# Altium PCB Austindetz_CM4_Board_v1.0.PcbDoc (part 6 of 6)
Units mil, origin at the board's own origin, x right, y up, seen from the top; angles counter-clockwise.
Board outline 4020 x 5659.29 mil, 6 copper layers (Top Layer, 02_GND1, 03_SIg1, 04_SIg2, 05_Pwr1, Bottom Layer), stack 60.56 mil thick; 407 components, 332 nets, 1812 pads, 973 vias.
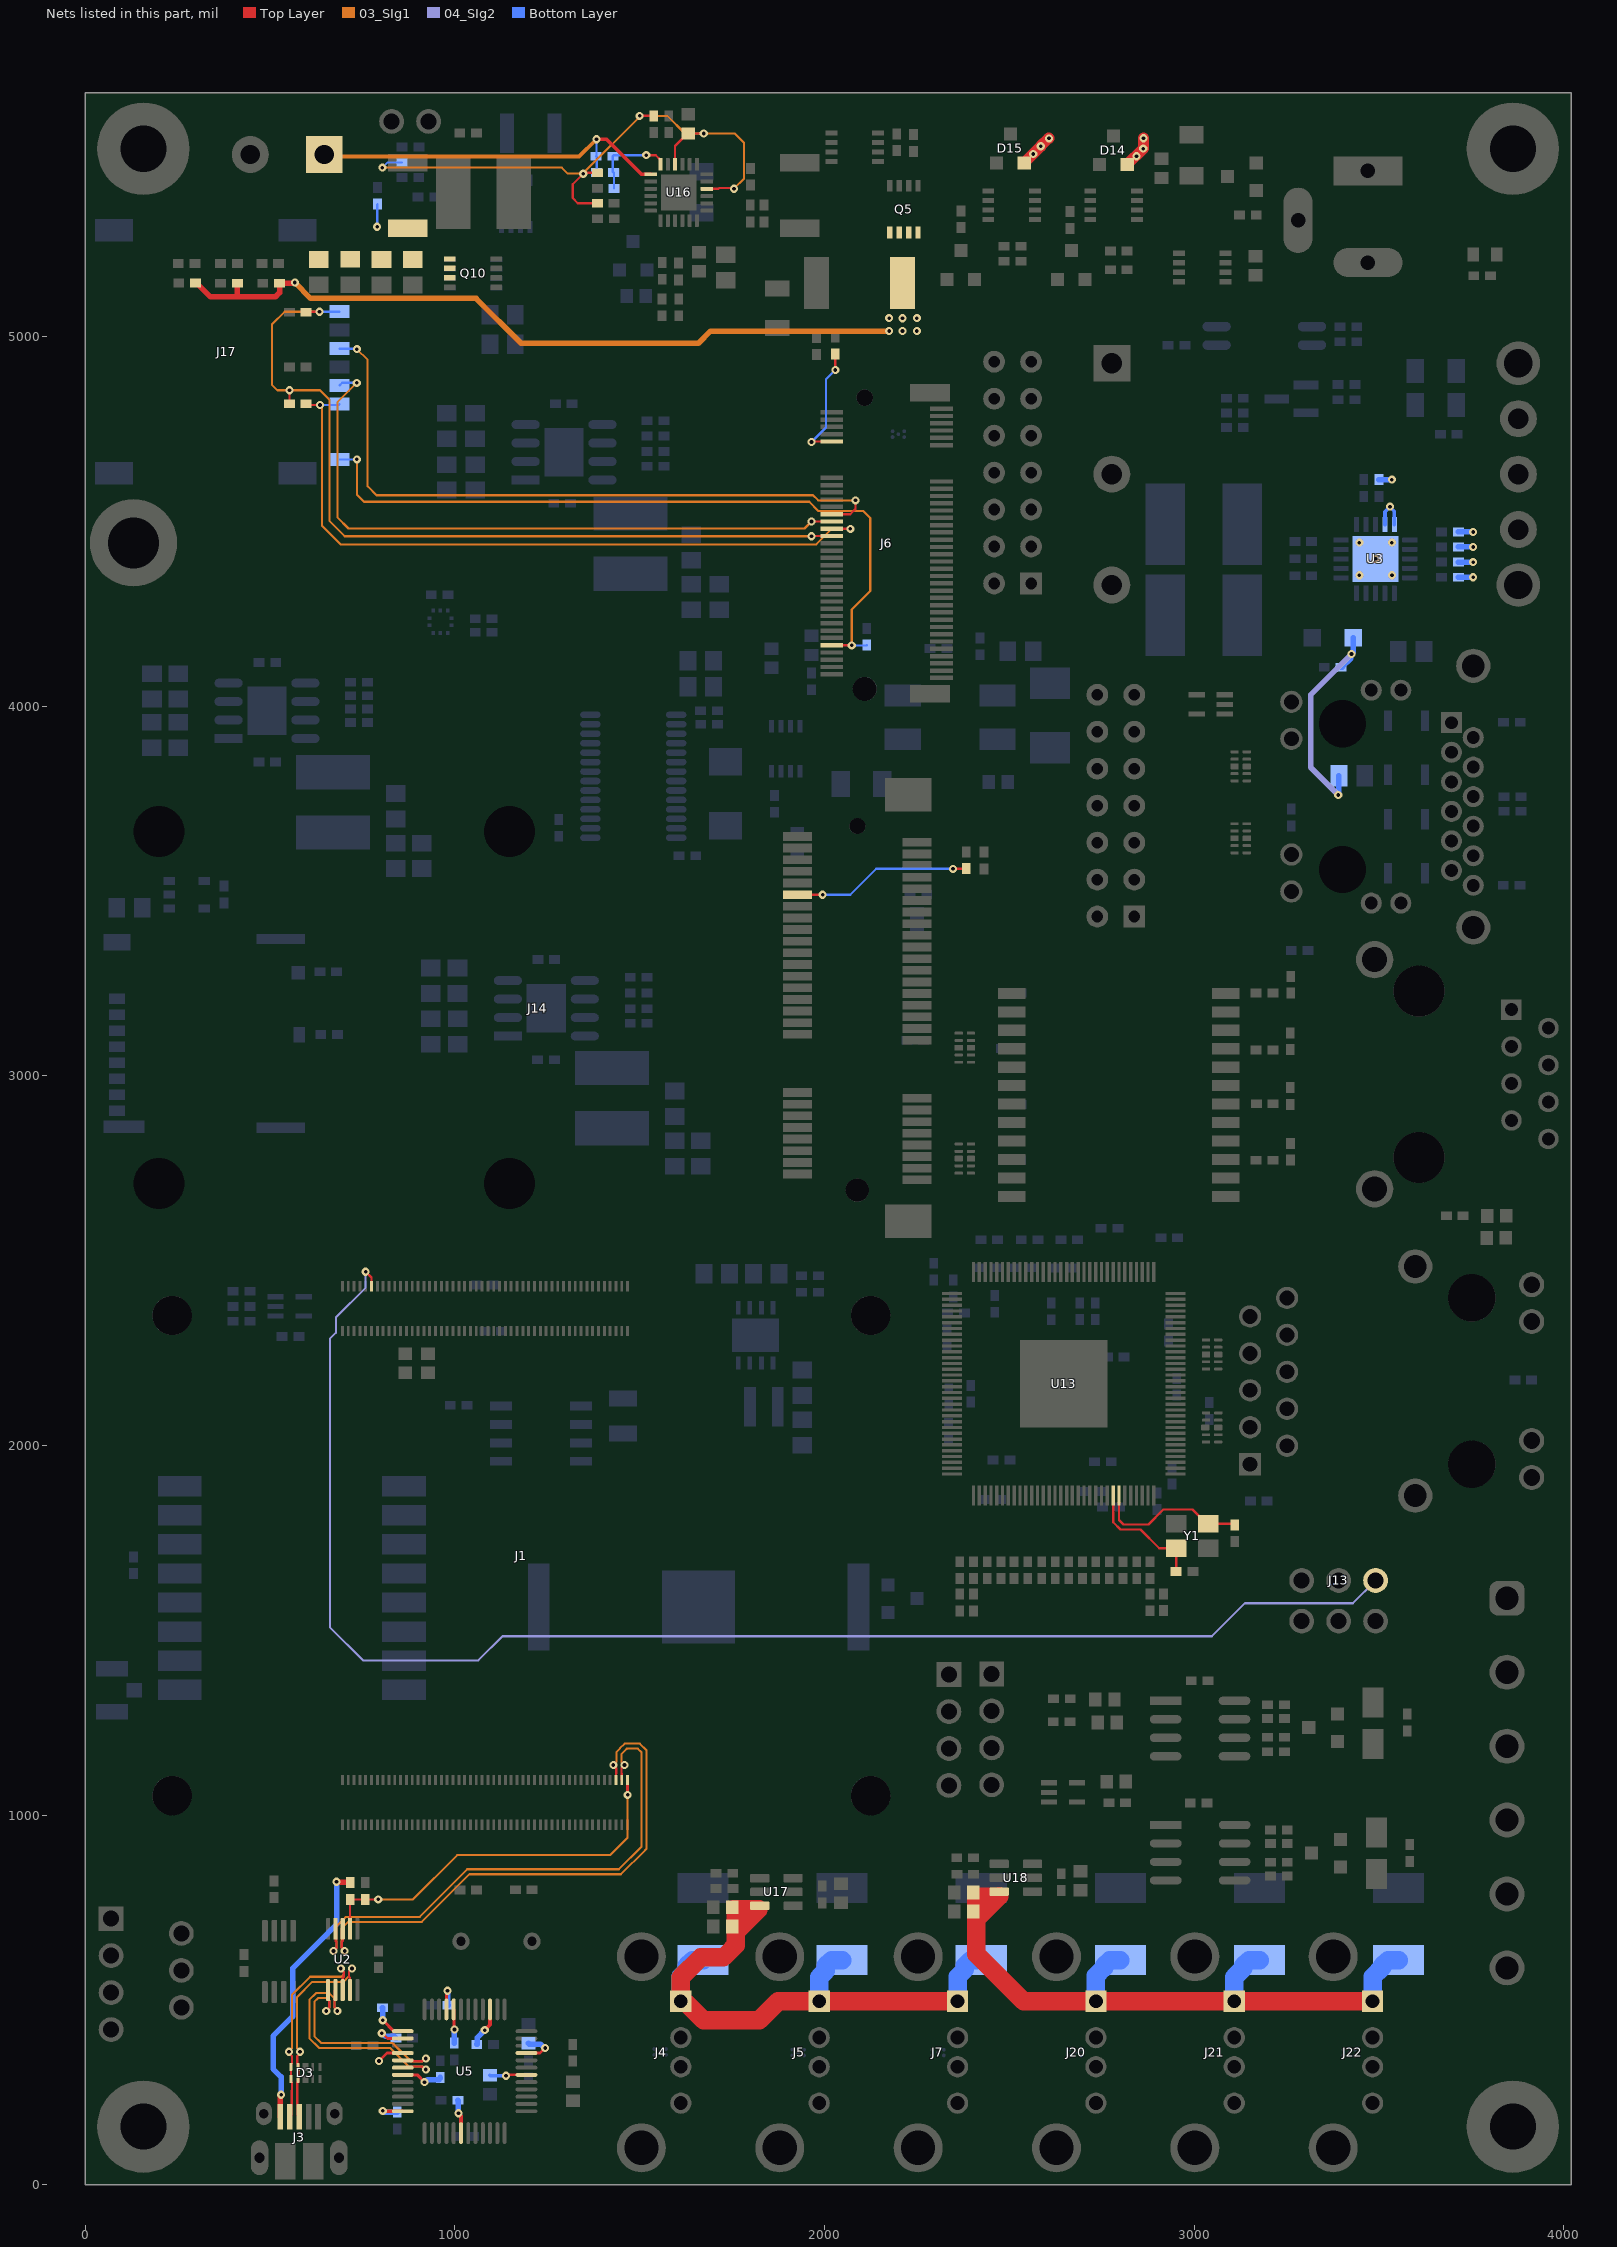
[diagram p10: the nets of this part, all layers, seen from the top]

## Via types
v1: diameter 22, hole 10, Top Layer to Bottom Layer, tented both sides, 968 vias
v2: diameter 22, hole 10, Top Layer to Bottom Layer, 5 vias

## Nets (pads, with @x,y where several pads share a name; then routed paths per layer and width w, separated by ;. In a path a pad name is that pad's centre, name@x,y a point inside that pad or via, vN(x,y) a via of type N, cw(c..) or ccw(c..) an arc to the next point about the centre after c; other vN are vias at no path point) (continued)
USB1_N: D3.5 J3.2 U2.8 | length 585.5
  Top Layer w6.23: v1(551.25,359.98) 551.25,355.72 559.14,347.83 559.14,341.52 559.14,328.82 556.41,326.09 D3.5@556.41,318.91 D3.5@556.41,286.04 556.41,278.85 559.14,276.12 559.14,265.88 559.14,255.1 559.02,254.99 559.02,219.43 558.1,218.51 558.1,189.2 J3.2@553.34,184.44 ; v1(691.46,584.98) 699.34,577.1 699.34,562.16 696.62,559.43 U2.8@696.62,526.79
  03_SIg1 w5.66: v1(551.25,359.98) 551.25,360.86 559.42,369.03 559.42,513.81 608.35,562.74 692.97,562.74 699.63,569.4 699.63,575.94 691.46,584.11 v1(691.46,584.98)
USB1_P: D3.4 J3.3 U2.9 | length 585.5
  Top Layer w6.23: J3.3@578.93,184.44 574.17,189.2 574.17,218.51 573.25,219.43 573.25,249.1 573.37,249.21 573.37,269.32 573.37,276.12 576.09,278.85 D3.4@576.09,286.04 D3.4@576.09,318.91 576.09,326.09 573.37,328.82 573.37,335.63 573.37,347.83 581.25,355.72 v1(581.25,359.98) ; U2.9@716.3,526.79 716.3,559.43 713.57,562.16 713.57,577.1 v1(721.46,584.98)
  03_SIg1 w5.66: v1(581.25,359.98) 581.25,360.86 573.08,369.03 573.08,508.15 614,549.08 698.62,549.08 713.29,563.74 713.29,575.94 721.46,584.11 v1(721.46,584.98)
USB2_N: J1.103 U2.4 | length 1449.5
  Top Layer w6.23: v1@671.77,636.99 v1(671.77,632.73) 679.66,640.61 679.66,657.16 676.93,659.89 U2.4@676.93,692.53 ; J1.103@1451.56,1095.34 1451.56,1112.23 1450.81,1112.99 1450.81,1127.81 v1(1458.69,1135.69)
  03_SIg1 w5.66: v1(671.77,632.73) 679.94,640.9 679.94,699.34 687.94,707.34 697.59,716.98 705.59,724.98 904.91,724.98 1033.57,853.64 1443.57,853.64 1504.91,914.98 1504.91,1169.98 1494.91,1179.98 1464.91,1179.98 1464.91,1179.37 1450.52,1164.98 1450.52,1143.86 v1(1458.69,1135.69)
USB2_P: J1.105 U2.3 | length 1494.7
  Top Layer w6.23: U2.3@696.62,692.53 696.62,659.89 693.89,657.16 693.89,640.61 v1(701.77,632.73) v1@701.77,636.99 ; v1(1428.69,1135.69) 1436.58,1127.81 1436.58,1112.99 1435.82,1112.23 J1.105@1435.82,1095.34
  03_SIg1 w5.66: v1(701.77,632.73) 693.6,640.9 693.6,693.68 711.25,711.32 910.57,711.32 1039.23,839.98 1449.23,839.98 1514.57,905.32 1518.57,909.33 1518.57,1175.64 1500.57,1193.64 1459.25,1193.64 1446.2,1180.59 1446.2,1179.98 1436.86,1170.64 1436.86,1143.86 v1(1428.69,1135.69)
USB-OTG: J1.101 R7.1 R8.1 U2.2 | length 1055.5
  Top Layer w6.16: U2.2@716.3,692.53 716.3,771.65 R7.1@716.71,772.05 R8.1@757.62,772.05 792.44,772.05 v1(792.64,772.25)
  Top Layer w8: v1(1467.31,1054.98) J1.101@1467.31,1095.34
  03_SIg1 w5.61: v1(792.64,772.25) 886.83,772.25 1006.48,891.89 1419.74,891.89 1467.31,939.46 v1(1467.31,1054.98)
USBH_N: U2.6 U5.29 | length 633.8
  Top Layer w6.23: v1(652.09,469.98) 652.09,472.56 659.97,480.45 659.97,482.02 659.97,496.72 659.64,497.05 659.64,524.39 U2.6@657.25,526.79 ; U5.29@859.01,336.74 884.41,336.74 887.14,334.01 909.99,334.01 917.87,341.89 v1(921.52,341.89)
  03_SIg1 w5.66: v1(652.09,469.98) 652.09,470.86 660.26,479.03 660.26,499.1 654.37,504.98 629.82,504.98 619.91,495.07 619.91,402 638.27,383.64 831.25,383.64 881.17,333.72 912.48,333.72 920.65,341.89 v1(921.52,341.89)
USBH_P: U2.7 U5.30 | length 701.7
  Top Layer w6.23: U2.7@676.93,526.79 674.53,524.39 674.53,497.05 674.2,496.72 674.2,487.91 674.2,480.45 682.09,472.56 v1(682.09,469.98) ; U5.30@859.01,317.04 884.41,317.04 887.14,319.78 909.99,319.78 917.87,311.89 v1(921.52,311.89)
  03_SIg1 w5.66: v1(682.09,469.98) 682.09,470.86 673.92,479.03 673.92,504.75 660.03,518.64 642.08,518.64 624.16,518.64 606.25,500.73 606.25,396.34 632.61,369.98 825.59,369.98 855.25,340.32 875.51,320.06 912.48,320.06 920.65,311.89 v1(921.52,311.89)
USIM_CLK: J6.32 J17.C3 | length 1793.3
  Top Layer w6.16: v1(1964.91,4499.98) 1964.96,4499.93 J6.32@2019.28,4499.93
  03_SIg1 w5.61: v1(734.53,4874.98) 681.94,4822.39 681.94,4511.22 712.27,4480.88 1945.81,4480.88 v1(1964.91,4499.98)
  Bottom Layer w6.16: J17.C3@687.69,4867.57 695.11,4874.98 v1(734.53,4874.98)
USIM_DATA: J6.34 J17.C7 R76.1 | length 1939.7
  Top Layer w6.16: R76.1@597.75,4818.43 601.2,4814.98 v1(634.91,4814.98) ; J6.34@2019.28,4480.24 2069.65,4480.24 v1(2069.91,4479.98)
  03_SIg1 w5.61: v1(634.91,4814.98) 634.91,4811.32 641.08,4805.15 641.08,4487.6 690.5,4438.18 1978.1,4438.18 2019.91,4479.98 v1(2069.91,4479.98)
  Bottom Layer w6.16: v1(634.91,4814.98) 685.11,4814.98 J17.C7@687.69,4817.57
USIM_DET: J6.66 J17.CD R78.1 | length 2020.5
  Top Layer w6.16: J6.66@2019.28,4165.28 2074.61,4165.28 v1@2074.91,4164.98
  03_SIg1 w6.16: v1(734.91,4667.98) 734.91,4572.05 753.91,4553.05 1958.42,4553.05 1983.12,4528.35 2104.8,4528.35 2123.85,4509.3 2123.85,4312.17 2073.59,4261.92 v1(2073.59,4164.66)
  Bottom Layer w6.16: J17.CD@687.69,4667.57 734.5,4667.57 v1(734.91,4667.98) ; v1(2073.59,4164.66) 2113.78,4164.66 R78.1@2114.4,4165.28
USIM_RST: J6.30 J17.C2 | length 1860.3
  Top Layer w6.16: J6.30@2019.28,4519.61 2069.54,4519.61 2083.85,4533.92 v1(2083.85,4557.17)
  03_SIg1 w5.61: v1(734.91,4966.08) 763.85,4937.14 763.85,4594.93 787.9,4570.89 1969.01,4570.89 1982.72,4557.17 v1(2083.85,4557.17)
  Bottom Layer w6.16: J17.C2@687.69,4967.57 733.42,4967.57 v1(734.91,4966.08)
USIM_VDD: C121.1 J6.36 J17.C1 R76.2 | length 2310
  Top Layer w6.16: R76.2@552.47,4818.43 v1(552.47,4854.98) ; C121.1@597.75,5065.74 599.18,5067.17 v1(633.85,5067.17) ; v1(1964.91,4459.98) 1965.48,4460.56 J6.36@2019.28,4460.56
  03_SIg1 w5.61: v1(633.85,5067.17) 633.76,5067.27 539.5,5067.27 504.91,5032.68 504.91,4869.84 519.77,4854.98 v1(552.47,4854.98) 635.25,4854.98 660.4,4829.83 660.4,4501.69 702.11,4459.98 v1(1964.91,4459.98)
  Bottom Layer w6.16: v1(633.85,5067.17) 687.3,5067.17 J17.C1@687.69,5067.57
VB1: C20.1 C21.1 C112.+ C113.+ C114.+ J4.1 J5.1 J7.1 U17.6 | length 1926.6
  Top Layer w30: 1750.8,639.23 C20.1@1750.8,699.08 C21.1@1750.8,750.75 1750.8,752.72 1752.93,754.85 U17.6@1824.88,754.85
  Top Layer w50: C21.1@1762.2,737.83 1759.43,735.07 C20.1@1759.43,682.76 ; C21.1@1763.61,743.68 U17.6@1807.96,743.68 ; 1807.42,743.14 U17.6@1807.96,743.68 ; U17.6@1821.36,744.68 U17.6@1820.37,743.69 ; J7.1@2359.94,496.44 J5.1@1985.62,496.44 1874.78,496.44 1823.32,444.98 1673,444.98 1625.24,492.74 1615.01,492.74 J4.1@1611.31,496.44 1611.31,561.38 1664.91,614.98 1726.55,614.98 1750.8,639.23 1759.43,647.87 C20.1@1759.43,682.76 ; C20.1@1759.43,682.76 U17.6@1820.37,743.69 ; U17.6@1807.97,743.69 U17.6@1820.37,743.69
  Bottom Layer w50: J4.1@1611.31,496.44 1611.31,563.55 1627.24,579.48 1627.24,592.28 1642.99,608.03 C112.+@1671.33,608.03 ; J5.1@1985.62,496.44 1985.62,561.23 2003.63,579.24 2003.63,592.28 2019.38,608.03 C113.+@2047.72,608.03 ; J7.1@2359.94,496.44 2359.94,562.43 2380.02,582.51 2380.02,592.28 2395.77,608.03 C114.+@2424.11,608.03
VB2: C109.1 C110.1 C115.+ C116.+ C117.+ J20.1 J21.1 J22.1 U18.6 | length 1890.6
  Top Layer w50: C109.1@2413.43,773.95 2410.66,771.19 2410.66,718.87 ; C109.1@2414.84,779.8 2459.19,779.8 ; 2458.65,779.26 2459.19,779.8 ; 2472.59,780.8 2471.6,779.81 ; J22.1@3482.88,496.44 J21.1@3108.56,496.44 J20.1@2734.25,496.44 2538.45,496.44 2410.66,624.23 2410.66,718.87 ; 2410.66,718.87 2471.6,779.81 ; 2459.2,779.81 2471.6,779.81
  Bottom Layer w50: J20.1@2734.25,496.44 2734.25,565.57 2756.41,587.73 2756.41,592.28 2772.16,608.03 C116.+@2800.5,608.03 ; J21.1@3108.56,496.44 3108.56,561.69 3132.8,585.93 3132.8,592.28 3148.55,608.03 C115.+@3176.89,608.03 ; J22.1@3482.88,496.44 3482.88,562.3 3509.19,588.61 3509.19,592.28 3524.94,608.03 C117.+@3553.28,608.03
VBAT: C90.1 C91.1 C92.1 C96.1 C99.1 Cff1.2 J19.1 Q10.S R65.2 RSR1.2 U16.13 | length 1096.3
  Top Layer w10: v1(1382.91,5533.98) 1410.03,5533.98 1504.57,5439.45 1529.36,5439.45 U16.13@1529.48,5439.32
  03_SIg1 w10: J19.1@646.58,5492.67 652.08,5487.17 1336.1,5487.17 v1(1382.91,5533.98)
  Bottom Layer w6.16: v1(789.79,5297.29) 789.79,5357.34 C99.1@790.79,5358.33 ; v1(1382.91,5533.98) 1382.91,5489.12 Cff1.2@1382.15,5488.37 1383.65,5486.87 R65.2@1383.65,5443.9
VBUS: J3.1 R7.2 | length 754.5
  Top Layer w15: J3.1@527.75,184.44 527.75,241.49 v1(529.91,243.64) ; v1(679.91,819.98) 681.24,818.66 715.38,818.66 R7.2@716.71,817.33
  Bottom Layer w15: v1(529.91,243.64) 529.91,291.66 508.14,313.43 508.14,402.19 561.2,455.25 561.2,585.66 679.91,704.37 v1(679.91,819.98)
VD18_O: C1.1 C2.1 C3.1 U5.6 U5.21 U5.25 U5.28 | length 365.6
  Top Layer w6.16: v1(1138.35,294.98) 1140.74,297.37 U5.6@1193.64,297.37
  Top Layer w8: v1(794.91,334.98) 816.34,356.41 U5.28@859.01,356.41 ; v1(804.91,444.98) 805.29,444.98 834.79,415.48 U5.25@859.01,415.48 ; U5.21@977.12,474.53 977.62,475.03 977.62,522.69 v1(979.91,524.98)
  Bottom Layer w10: C1.1@1094.73,296.26 1096.01,294.98 v1(1138.35,294.98)
  Bottom Layer w15: C2.1@804.1,479.11 804.5,478.7 804.5,445.39 v1(804.91,444.98) ; v1(979.91,524.98) 980.73,524.16 980.73,486.69 C3.1@981.56,485.86
VD33_O: C5.1 C6.1 C7.1 C8.1 C14.1 C15.1 C17.1 U5.9 U5.15 U5.20 U5.26 U5.31 U5.36 U5.42 | length 719
  Top Layer w8: v1(802.12,409.98) 803.28,409.98 817.48,395.78 U5.26@859.01,395.78 ; v1(804.91,199.98) 805.84,199.06 v1@805.96,198.94 ; U5.31@859.01,297.37 898.36,297.37 v1(918.06,277.68) ; U5.20@996.8,474.53 997.3,474.02 997.3,421.7 v1(999.03,419.96) ; U5.9@1193.64,356.41 1230.55,356.41 v1(1244.12,369.98)
  Top Layer w10: v1@805.84,199.06 858.89,199.06 U5.36@859.01,198.94 ; v1(1009.91,193.62) 1016.48,187.05 U5.42@1016.48,139.89 ; v1(1080.85,418.47) 1095.23,432.84 U5.15@1095.23,474.53
  Bottom Layer w15: v1(802.12,409.98) 804.02,409.98 812.64,401.36 836.2,401.36 C14.1@840.51,397.05 ; v1(804.91,199.98) 806.8,199.98 810.15,196.63 C5.1@844.03,196.63 ; v1(918.06,277.68) 919.95,277.68 926.48,284.2 956.48,284.2 960.79,288.51 C8.1@960.79,290.24 ; C7.1@998.15,383.16 998.59,383.6 998.59,419.53 v1(999.03,419.96) ; C6.1@1007.99,228.83 1008.95,227.87 1008.95,194.58 v1(1009.91,193.62) ; C15.1@1059.2,379.71 1059.91,380.42 1059.91,397.53 v1(1080.85,418.47) ; C17.1@1199.21,382.59 1201.22,380.59 1231.63,380.59 1242.23,369.98 v1(1244.12,369.98)
VFB: Cff1.1 R65.1 R67.2 U16.12 | length 235.9
  Top Layer w6.16: v1(1517.91,5490.98) 1543.37,5490.98 1556.45,5477.91 U16.12@1556.45,5466.29
  Bottom Layer w6.16: R67.2@1430.42,5400.89 1430.42,5442.4 R65.1@1428.93,5443.9 1427.43,5445.4 Cff1.1@1427.43,5488.37 1430.05,5490.98 v1(1517.91,5490.98)
VIN: D14.2 D15.2 Q5.D R50.2 R55.2 R59.2 R64.2 | length 2227.6
  Top Layer w15: R55.2@298.3,5145.14 301.25,5145.14 338.97,5107.42 407.63,5107.42 ; R59.2@411.71,5144.59 411.71,5111.5 407.63,5107.42 ; v2(567.17,5146.3) 565.46,5144.59 R64.2@525.6,5144.59 525.6,5118.92 514.09,5107.42 407.63,5107.42
  Top Layer w30: D15.2@2540.32,5470.14 2585.01,5514.84 v1(2585.01,5515.13) v1@2606.68,5536.8 ; D14.2@2819.03,5465.21 2862.39,5508.57 v1(2862.39,5508.68) 2862.87,5509.16 v1(2862.87,5536.72)
  03_SIg1 w15: v2(567.17,5146.3) 609.98,5103.49 1057.54,5103.49 1178.85,4982.17 1658.85,4982.17 1691.66,5014.98 1991.66,5014.98 v1(2174.91,5014.98)
  other v1: 2211.09,5014.98 2249.91,5014.98 2174.91,5049.98 2211.27,5049.78 2249.91,5049.98 2844.21,5488.15 2564.78,5494.31 2607.11,5536.38
VREF: C100.2 R46.1 R56.1 R57.1 R58.1 U16.4 U16.10 | length 1723.4
  Top Layer w5.61: 1332.75,5361.19 1318.85,5375.09 1318.85,5412.31 v1(1347.35,5440.81)
  Top Layer w6.16: 1332.75,5361.19 R56.1@1385.7,5361.19 ; v1(1347.35,5440.81) 1349.6,5443.07 R57.1@1385.7,5443.07 ; v1(1499.91,5597.36) 1499.95,5597.39 R58.1@1537.87,5597.39 ; U16.10@1595.82,5466.29 1595.82,5516.09 1629.42,5549.69 C100.2@1631.39,5549.69 v1(1673.15,5549.69) ; C100.2@1629.61,5542.84 C100.2@1629.61,5544.8 ; U16.4@1681.85,5399.95 1712.6,5399.95 1715,5402.35 1752.54,5402.35 v1(1754.91,5399.98)
  03_SIg1 w5.61: v2(803.85,5457.17) 1289.16,5457.17 1305.52,5440.81 v1(1347.35,5440.81) 1347.35,5442.81 1499.91,5595.36 v1(1499.91,5597.36) 1574.76,5597.36 1622.43,5549.69 v1(1673.15,5549.69) 1757.56,5549.69 1782.32,5524.92 1782.32,5427.4 v1(1754.91,5399.98)
  Bottom Layer w5.61: v2(803.85,5457.17) 818.3,5471.62 R46.1@857.08,5471.62
VSS: C95.2 D8.1 FB2.2 R10.2 R11.2 R39.2 R41.2 R43.2 U3.4 U3.5 U3.21 | length 909.2
  04_SIg2 w15: v1(3389.91,3759.98) 3314.91,3834.98 3314.91,4031.04 v1(3425.49,4141.62)
  Bottom Layer w10: U3.4@3516.11,4491.68 3516.11,4526.18 v1(3529.91,4539.98) 3529.91,4539.14 3541.7,4527.35 U3.5@3541.7,4491.68
  Bottom Layer w15: v1(3389.91,3759.98) 3391.83,3761.9 FB2.2@3391.83,3812.27 ; C95.2@3397.35,4105.77 3400.3,4105.77 3424.15,4129.61 3424.15,4140.28 v1(3425.49,4141.62) 3430.03,4146.16 D8.1@3430.03,4184.98 ; R10.2@3500.04,4613.05 v1(3535.01,4613.05) ; R43.2@3714.67,4349.05 v1(3754.91,4349.05) ; R41.2@3714.67,4389.98 v1(3754.91,4389.98) ; R39.2@3714.67,4430.96 v1(3754.91,4430.96) ; R11.2@3714.67,4471.67 v1(3754.91,4471.67)
  other v1: 3446.91,4354.28 3535.5,4354.28 3490.52,4398.77 3446.91,4442.77 3535.01,4442.77
WL-nDis: J1.89 J13.1 | length 4003.1
  Top Layer w6.16: v1(758.65,2469.98) 774.4,2454.24 J1.89@774.4,2430.77
  04_SIg2 w5.61: v1(758.65,2469.98) 758.65,2427.14 677.91,2346.4 677.91,2304.98 661.91,2288.98 661.91,1508.27 751.36,1418.82 1063.68,1418.82 1128.84,1483.98 3047.91,1483.98 3137.2,1573.27 3429.39,1573.27 J13.1@3490.96,1634.85
WWAN_LED1: J6.10 R77.1 | length 319.8
  Top Layer w6.16: v1(1964.91,4714.98) 1966.39,4716.46 J6.10@2019.28,4716.46 ; v1(2029.36,4909.98) R77.1@2029.36,4953.09
  Bottom Layer w6.16: v1(1964.91,4714.98) 2003.85,4753.92 2003.85,4884.47 v1(2029.36,4909.98)
WWAN_LED2: J14.42 R81.1 | length 485.5
  Top Layer w6.16: J14.42@1927.43,3490.38 1994.52,3490.38 v1(1994.91,3489.98) ; v1(2347.84,3560.22) 2348.4,3560.78 R81.1@2383.48,3560.78
  Bottom Layer w6.16: v1(1994.91,3489.98) 2069.91,3489.98 2140.15,3560.22 v1(2347.84,3560.22)
XTALI: C132.2 U13.90 Y1.3 | length 418
  Top Layer w6.16: U13.90@2796.67,1864.76 2796.67,1798.84 2808.95,1786.57 2876.5,1786.57 2916.6,1826.68 2995.75,1826.68 3013.17,1809.25 3017.67,1809.25 Y1.3@3038.22,1788.71 3106.46,1788.71 C132.2@3109.91,1785.26
XTALO: C130.2 U13.89 Y1.1 | length 335
  Top Layer w6.16: U13.89@2780.92,1864.76 2780.92,1792.56 2800.89,1772.59 2854.74,1772.59 2905.55,1721.78 Y1.1@2951.6,1721.78 2951.28,1721.46 C130.2@2951.28,1659.11
pads on no net: A1.1 A1.5 A1.6 A1.7 D3.1 D3.2 D14.3 D15.3 J1.15 J1.17 J1.19 J1.64 J1.68 J1.70 J1.72 J1.73 J1.102 J1.104 J1.106 J1.109 J1.110 J1.112 J1.115 J1.116 J1.117 J1.118 J1.121 J1.122 J1.123 J1.124 J1.127 J1.128 J1.129 J1.130 J1.133 J1.134 J1.135 J1.136 J1.139 J1.140 J1.141 J1.142 J1.143 J1.145 J1.146 J1.147 J1.148 J1.149 J1.151 J1.152 J1.153 J1.154 J1.157 J1.158 J1.159 J1.160 J1.163 J1.164 J1.165 J1.166 J1.169 J1.170 J1.171 J1.172 J1.175 J1.176 J1.177 J1.178 J1.181 J1.182 J1.183 J1.184 J1.187 J1.188 J1.189 J1.190 J1.193 J1.194 J1.195 J1.196 J1.199 J1.200 J1.none J3.4 J6. J6.1 J6.20 J6.21 J6.22 J6.23 J6.24 J6.25 J6.26 J6.28 J6.29 J6.31 J6.35 J6.37 J6.38 J6.40 J6.41 J6.42 J6.43 J6.44 J6.46 J6.47 J6.48 J6.49 J6.50 J6.52 J6.53 J6.54 J6.55 J6.56 J6.58 J6.59 J6.60 J6.61 J6.62 J6.63 J6.64 J6.65 J6.68 J6.69 J8. J9.MH3 J9.MH4 J14. J14.1 J14.3 J14.5 J14.6 J14.7 J14.8 J14.10 J14.12 J14.14 J14.16 J14.19 J14.20 J14.22 J14.24 J14.28 J14.30 J14.31 J14.32 J14.33 J14.36 J14.38 J14.44 J14.45 J14.46 J14.47 J14.48 J14.49 J14.51 J14.M1 J14.M2 J18. PS1.5 PS1.6 Q4.2 U1.1 U3.10 U3.14 U3.15 U3.16 U3.20 U5.1 U5.2 U5.3 U5.4 U5.5 U5.7 U5.46 U5.47 U5.48 U6.7 U7.1 U8.1 U9.7 U9.8 U13.15 U13.16 U13.19 U13.20 U13.22 U13.24 U13.25 U13.26 U13.27 U13.29 U13.30 U13.31 U13.32 U13.35 U13.37 U13.38 U13.40 U13.41 U13.42 U13.43 U13.44 U13.45 U13.46 U13.47 U13.48 U13.49 U13.50 U13.51 U13.52 U13.56 U13.57 U13.58 U13.59 U13.60 U13.61 U13.62 U13.63 U13.64 U13.65 U13.66 U13.67 U13.68 U13.87 U13.117 U19.3 U24.7 U24.11 U24.12 U24.14 U24.15 U24.16 U25.5 U25.6 U25.9 U25.10 U25.13 U25.14 U25.20 U25.21 U25.26 U25.27

## Polygon pours and split planes (outlines as drawn)
+5V on Top Layer "NONET_L02_P-001" (solid, pour order 79): 649.91,1314.98 649.91,1064.98 349.91,764.98 349.91,339.98 334.91,324.98 64.91,324.98 4.91,384.98 4.91,4150.98 58.91,4204.98 714.91,4204.98 1034.91,3884.98 1034.91,2879.98 649.91,2494.98
+5V on Top Layer "NONET_L02_P-001" (solid, pour order 81): 1349.59,351.1 1354.91,356.41 1354.91,459.98 1289.91,524.98 1289.91,799 1334.25,843.34 1439.75,843.34 1459.91,823.18 1459.91,549.98 1499.91,509.98 1499.91,331.54 1430.6,262.23 1410.15,261.99 1409.91,261.76 1280.51,261.76 1264.91,277.36 1264.91,299.98 1242.53,322.36 1162.53,322.36 1154.29,330.61 1154.29,342.05 1163.33,351.1 1259.59,351.1
VSS on Top Layer "NONET_L02_P-001" (solid, pour order 75): 3519.61,4280.28 3519.61,4216.95 3497.65,4194.98 3394.91,4194.98 3384.91,4184.98 3384.91,4119.98 3394.91,4109.39 3775.3,4109.39 3849.91,4184.01 3849.91,4644.98 3804.91,4689.98 3419.91,4689.98 3369.91,4639.98 3369.91,4354.98 3409.91,4314.98 3484.91,4314.98
GND on Top Layer "NONET_L02_P-001" (solid, pour order 71): 721.29,244.98 733.28,232.99 733.28,23.35 719.91,9.98 429.91,9.98 419.91,19.98 419.91,219.98 439.91,239.98 499.91,239.98 512.99,226.91 512.99,136.91 519.91,129.98 616.25,129.98 622.24,135.97 622.24,232.08 635.15,244.98
+5V on Top Layer "NONET_L02_P-001" (solid, pour order 69): 872.82,2416.99 786.21,2416.99 786.21,2476.05 795.15,2484.98 862.82,2484.98 872.82,2474.98
PH on Top Layer "NONET_L02_P-001" (solid, pour order 52): 1112.76,5504.98 1251.37,5504.98 1264.91,5491.45 1264.91,5299.98 1249.91,5284.98 1120.79,5284.98 1112.06,5293.72 1112.76,5294.42 1112.76,5491.45
SRP on Top Layer "NONET_L02_P-001" (solid, pour order 51): 1028.02,5516.87 836.87,5516.87 819.11,5499.11 819.11,5429.98 909.91,5429.98 949.37,5390.52 949.37,5285.52 954.91,5279.98 1039.91,5279.98 1044.91,5284.98 1044.91,5499.98
12V_SYS on Top Layer "NONET_L02_P-001" (solid, pour order 14): 1190.28,5104.98 1205.28,5119.98 1205.28,5219.62 1194.91,5229.98 1014.91,5229.98 1014.91,5114.98 1024.91,5104.98 1134.91,5104.98
AGND on Top Layer "NONET_L02_P-001" (solid, pour order 12): 605.11,5162.71 912.61,5162.71 912.7,5162.62 912.7,5096.02 904.23,5087.55 633.47,5087.55 605.11,5115.92 605.11,5157.03
VBAT on Top Layer "NONET_L02_P-001" (solid, pour order 11): 1002.06,5152.24 957.65,5152.24 923.65,5186.24 603.65,5186.24 594.91,5194.98 594.91,5554.98 604.91,5564.98 724.91,5564.98 744.91,5544.98 744.91,5339.98 767.55,5317.34 925.5,5317.34 929.91,5312.93 929.91,5244.98 943.41,5231.48 995.56,5231.48 1002.06,5224.98
RP on Top Layer "NONET_L02_P-001" (solid, pour order 10): 2128.91,5531.98 2169.52,5531.98 2183.52,5517.98 2261.91,5517.98 2269.91,5509.98 2269.91,5396.98 2264.91,5391.98 2195.11,5391.98 2195.11,5439.78 2179.91,5454.98 2140.73,5454.98 2128.91,5466.8 2128.91,5524.98
VIN on Top Layer "NONET_L02_P-001" (solid, pour order 9): 2159.91,5374.98 2154.91,5369.98 2154.91,5014.98 2172.9,4996.99 2258.53,4996.99 2274.91,5013.37 2274.91,5369.98 2269.91,5374.98
NetC89_2 on Top Layer "NONET_L02_P-001" (solid, pour order 8): 2012.28,5214.96 1844.76,5214.96 1834.78,5204.98 1834.78,5111.66 1841.46,5104.98 1903.27,5104.98 1933.25,5075 2012.28,5075
NetC85_1 on Top Layer "NONET_L02_P-001" (solid, pour order 7): 1874.91,5445.15 1880.1,5439.95 2102.92,5439.95 2114.91,5451.94 2114.91,5574.98 2109.91,5579.98 1888.03,5579.98 1874.91,5566.87
GND on Top Layer "NONET_L02_P-001" (solid, pour order 6): 1831.89,5046.52 1831.89,4973.06 1838.42,4966.52 1901.89,4966.52 1906.89,4971.52 1906.89,5046.52
12V_ADP on Top Layer "NONET_L02_P-001" (solid, pour order 3): 2579.91,5419.98 2479.91,5419.98 2474.91,5414.98 2474.91,5289.98 2479.91,5284.98 2509.91,5284.98 2514.91,5279.98 2514.91,5234.98 2519.91,5229.98 2574.91,5229.98 2584.91,5239.98 2584.91,5414.98
12V_POE on Top Layer "NONET_L02_P-001" (solid, pour order 2): 2768.5,5428.57 2749.91,5409.98 2749.91,5288.96 2764.25,5274.62 2790.27,5274.62 2804.16,5260.73 2804.16,5215.73 2809.91,5209.98 2866.47,5209.98 2874.91,5218.42 2874.91,5418.57 2864.91,5428.57
NetC57_1 on Top Layer "NONET_L02_P-001" (solid, pour order 0): 3093.25,5264.1 2998.03,5264.1 2990.88,5256.95 2990.88,5102.92 3000.98,5092.83 3585.62,5092.83 3595.97,5103.17 3595.97,5242.42 3581.68,5256.71 3394.24,5256.71 3320.47,5182.94 3132.79,5182.94 3122.03,5193.69 3122.03,5251.84 3109.78,5264.08
PH on Bottom Layer "NONET_L02_P-001" (solid, pour order 93): 884.91,5159.98 934.91,5109.98 989.91,5109.98 1009.91,5129.98 1009.91,5238.23 1101.66,5329.98 1259.91,5329.98 1264.91,5334.98 1264.91,5439.98 1254.91,5449.98 1065.85,5449.98 884.91,5269.04
+1.2V on Bottom Layer "NONET_L02_P-001" (solid, remove dead copper, pour order 89): 2679.91,1971.98 2707.91,1999.98 2774.91,1999.98 2848.74,1926.15 2894.25,1926.15 2993.44,1926.15 3014.42,1947.13 3014.42,2091.49 3024.15,2101.22 3052.72,2101.22 3052.72,2151.02 3040.91,2162.83 2538.06,2162.83 2464.91,2235.98 2290.91,2235.98 2272.91,2253.98 2272.91,2409.6 2295.92,2432.61 2376.78,2432.61 2391.28,2447.11 2391.28,2575.36 2395.91,2579.98 2441.91,2579.98 2445.91,2575.98 2445.91,2468.82 2452.6,2462.13 2485.06,2462.13 2493.91,2470.98 2493.91,2584.45 2501.82,2592.36 2549.54,2592.36 2562.84,2579.05 2562.84,2507.05 2566.91,2502.98 2593.91,2502.98 2607.28,2516.36 2607.28,2601.36 2618.91,2612.98 2651.91,2612.98 2667.32,2597.57 2667.32,2513.57 2674.91,2505.98 2703.91,2505.98 2711.91,2513.98 2711.91,2608.98 2720.91,2617.98 2768.91,2617.98 2778.8,2608.1 2778.8,2530.1 2785.91,2522.98 2785.91,2321.99 2799.91,2307.99 2945.92,2307.99 2951.54,2313.61 2951.54,2352.17 2901.74,2352.17 2882.57,2371.34 2882.57,2680.33 2862.59,2700.3 2035.22,2700.3 1968.53,2633.61 1968.53,2448.36 1973.91,2442.98 2014.68,2442.98 2019.91,2437.76 2034.14,2437.76 2039.91,2431.98 2039.91,2173.98 2032.91,2166.98 1859.91,2166.98 1855.91,2162.98 1855.91,2052.14 1860.94,2047.11 2014.78,2047.11 2038.91,2022.98 2038.91,1931.98 2080.91,1889.98 2648.91,1889.98 2679.91,1920.98
12V_ADP on Bottom Layer "NONET_L02_P-001" (solid, remove dead copper, pour order 83): 2754.91,5324.98 2919.91,5489.98 3099.91,5489.98 3139.91,5449.98 3139.91,5184.98 3034.91,5079.98 2534.91,5079.98 2479.91,5134.98 2479.91,5294.98 2509.91,5324.98
GND on Bottom Layer "NONET_L02_P-001" (solid, pour order 70): 1559.91,1714.98 1544.91,1699.98 1544.91,1439.98 1564.91,1419.98 1764.91,1419.98 1774.91,1429.98 1774.91,1689.98 1749.91,1714.98
GND on Bottom Layer "NONET_L02_P-001" (solid, pour order 68): 1740.43,750.2 1569.71,750.2 1559.71,760.2 1559.71,850.2 1569.71,860.2 1739.71,860.2 1744.71,855.2 1744.71,754.48
GND on Bottom Layer "NONET_L02_P-001" (solid, pour order 67): 1978.63,854.98 2149.35,854.98 2159.35,844.98 2159.35,754.98 2149.35,744.98 1979.35,744.98 1974.35,749.98 1974.35,850.7
GND on Bottom Layer "NONET_L02_P-001" (solid, pour order 66): 2493.21,750.2 2309.69,750.2 2300.09,759.8 2300.09,850.17 2310.13,860.2 2492.49,860.2 2497.49,855.2 2497.49,754.48
GND on Bottom Layer "NONET_L02_P-001" (solid, pour order 65): 2869.6,750.2 2734.69,750.2 2724.91,759.98 2724.91,869.98 2739.91,884.98 2859.91,884.98 2873.88,871.02 2873.88,754.48
GND on Bottom Layer "NONET_L02_P-001" (solid, pour order 64): 3107.8,854.98 3278.52,854.98 3288.52,844.98 3288.52,754.98 3278.52,744.98 3108.52,744.98 3103.52,749.98 3103.52,850.7
GND on Bottom Layer "NONET_L02_P-001" (solid, pour order 63): 3484.19,854.98 3654.91,854.98 3664.91,844.98 3664.91,754.98 3654.91,744.98 3484.91,744.98 3479.91,749.98 3479.91,850.7
P_VDD on Bottom Layer "NONET_L02_P-001" (solid, pour order 55): 1784.91,3714.72 1682.5,3714.72 1679.91,3712.12 1679.91,3603.52 1687.57,3595.86 1779.08,3595.86 1784.91,3601.69
NetQ13_1 on Bottom Layer "NONET_L02_P-001" (solid, pour order 54): 1687.39,4159.98 1677.23,4149.83 1677.23,4022.66 1695.43,4004.47 1695.43,3976.17 1752.91,3976.17 1795.97,3933.11 1914.71,3933.11 1914.71,3992.79 1902.51,4004.98 1809.91,4004.98 1784.91,4029.98 1784.91,4154.98 1779.91,4159.98
GND on Bottom Layer "NONET_L02_P-001" (solid, pour order 50): 3534.91,4964.98 3524.91,4954.98 3524.91,4774.98 3534.91,4764.98 3619.91,4764.98 3629.91,4774.98 3629.91,4954.98 3619.91,4964.98
12V_POE on Bottom Layer "NONET_L02_P-001" (solid, pour order 49): 3689.91,5019.98 3679.91,5009.98 3679.91,4774.98 3696.8,4758.1 3696.8,4722.15 3708.96,4709.98 3918.26,4709.98 3944.91,4736.63 3944.91,5004.98 3929.91,5019.98
GND on Bottom Layer "NONET_L02_P-001" (solid, pour order 48): 2837.47,4619.98 2820.61,4603.12 2820.61,4127.42 2982.1,4127.42 2989.91,4135.23 2989.91,4604.74 2974.67,4619.98
P_VDD on Bottom Layer "NONET_L02_P-001" (solid, pour order 47): 3260.86,4624.98 3287.56,4598.28 3287.56,4267.64 3249.91,4229.98 3249.91,4139.53 3232.92,4122.54 3077.35,4122.54 3069.91,4129.98 3069.91,4617.86 3077.03,4624.98
NetC139_2 on Bottom Layer "NONET_L02_P-001" (solid, remove dead copper, pour order 44): 1687.57,3900.12 1959.78,3900.12 2010.91,3848.98 2065.54,3848.98 2068.91,3845.61 2068.91,3750.36 2062.4,3743.85 1846.05,3743.85 1839.91,3749.98 1839.91,3799.98 1826.54,3813.35 1683.41,3813.35 1679.68,3817.08 1680.06,3817.46 1680.06,3893.85
GND on Bottom Layer "NONET_L02_P-001" (solid, pour order 43): 1913.33,2181.48 1913.33,2231.09 1930.26,2248.02 2000.26,2248.02 2005.26,2243.02 2005.26,2193.02 1993.72,2181.48
GND on Bottom Layer "NONET_L02_P-001" (solid, pour order 42): 2005.91,1972.56 1995.91,1962.56 1960.91,1962.56 1950.91,1972.56 1919.34,1972.56 1913.69,1978.21 1913.69,2023.49 1998.95,2023.49 2005.91,2016.53
+1.2V on Bottom Layer "NONET_L02_P-001" (solid, pour order 41): 1854.91,2164.98 2029.91,2164.98 2039.91,2154.98 2039.91,2054.98 2029.91,2044.98 1859.91,2044.98 1854.91,2049.98 1854.91,2074.98
NetL6_1 on Bottom Layer "NONET_L02_P-001" (solid, pour order 40): 1785.08,2241.51 1785.08,2194.16 1779.91,2188.98 1779.91,2050 1782.79,2047.11 1814.29,2047.11 1822.94,2055.76 1822.94,2172.83 1808.91,2186.86 1808.91,2241.51
GND on Bottom Layer "NONET_L02_P-001" (solid, pour order 39): 1696.45,2438.05 1646.84,2438.05 1629.91,2454.98 1629.91,2524.98 1634.91,2529.98 1684.91,2529.98 1696.45,2518.44
GND on Bottom Layer "NONET_L02_P-001" (solid, pour order 38): 1904.91,2529.98 1914.91,2519.98 1914.91,2484.98 1904.91,2474.98 1904.91,2443.41 1899.25,2437.76 1853.98,2437.76 1853.98,2523.02 1860.94,2529.98
12V_SYS on Bottom Layer "NONET_L02_P-001" (solid, pour order 37): 1720.07,2559.98 1730.07,2569.98 1819.44,2569.98 1829.44,2559.98 1829.44,2432.74 1804.45,2407.75 1804.45,2354.51 1803.97,2354.98 1734.91,2354.98 1720.07,2369.82
GND on Bottom Layer "NONET_L02_P-001" (solid, pour order 31): 1034.03,3107.8 903.96,3107.8 903.96,3013.85 917.1,3000.7 1019.03,3000.7 1034.03,3015.7 1034.03,3096.12
GND on Bottom Layer "NONET_L02_P-001" (solid, pour order 32): 903.25,3265.91 1033.33,3265.91 1033.33,3355.23 1020.18,3368.38 918.25,3368.38 903.25,3353.38 903.25,3272.96
GND on Bottom Layer "NONET_L02_P-001" (solid, pour order 36): 1565.18,2937.2 1565.18,3020.7 1648.8,3020.7 1652.1,3017.39 1652.1,2937.2 1640.88,2937.2
GND on Bottom Layer "NONET_L02_P-001" (solid, pour order 35): 1694.03,2779.21 1565.18,2779.21 1565.18,2697.63 1572.1,2690.7 1684.03,2690.7 1694.03,2700.7 1694.03,2749.66
+3.3V on Bottom Layer "NONET_L02_P-001" (solid, pour order 34): 1317.1,2905.7 1312.1,2900.7 1312.1,2807.75 1317.03,2802.83 1737.1,2802.83 1752.1,2817.83 1752.1,2913.58 1739.98,2925.7 1642.1,2925.7 1629.98,2913.58 1537.1,2913.58 1529.23,2905.7
NetC47_1 on Bottom Layer "NONET_L02_P-001" (solid, remove dead copper, pour order 33): 1327.1,3120.7 1527.1,3120.7 1537.1,3110.7 1537.1,2980.7 1527.1,2970.7 1322.1,2970.7 1312.1,2980.7 1312.1,3106.32 1322.1,3116.32
12V_SYS on Bottom Layer "NONET_L02_P-001" (solid, pour order 30): 1050.52,3242.29 1072.95,3219.85 1183.58,3219.85 1187.1,3216.32 1187.1,3146.35 1181.46,3140.7 1061.01,3140.7 1047.1,3126.79 791.01,3126.79 782.1,3135.7 782.1,3235.7 788.69,3242.29
12V_SYS on Bottom Layer "NONET_L02_P-001" (solid, pour order 23): 294.72,4047.17 317.15,4024.74 427.77,4024.74 431.3,4021.21 431.3,3951.23 425.66,3945.59 305.21,3945.59 291.3,3931.68 35.21,3931.68 26.3,3940.59 26.3,4040.59 32.89,4047.17
GND on Bottom Layer "NONET_L02_P-001" (solid, pour order 24): 278.23,3908.06 148.15,3908.06 148.15,3818.74 161.3,3805.59 263.23,3805.59 278.23,3820.59 278.23,3901.01
GND on Bottom Layer "NONET_L02_P-001" (solid, pour order 25): 147.45,4070.79 277.52,4070.79 277.52,4160.12 264.37,4173.26 162.45,4173.26 147.45,4158.26 147.45,4077.84
NetC11_1 on Bottom Layer "NONET_L02_P-001" (solid, remove dead copper, pour order 26): 571.3,3925.59 771.3,3925.59 781.3,3915.59 781.3,3785.59 771.3,3775.59 566.3,3775.59 556.3,3785.59 556.3,3911.21 566.3,3921.21
+5V on Bottom Layer "NONET_L02_P-001" (solid, pour order 27): 561.3,3710.59 556.3,3705.58 556.3,3612.63 561.23,3607.71 981.3,3607.71 996.3,3622.71 996.3,3718.46 984.18,3730.59 886.3,3730.59 874.18,3718.46 781.3,3718.46 773.43,3710.59
GND on Bottom Layer "NONET_L02_P-001" (solid, pour order 28): 938.23,3584.09 809.37,3584.09 809.37,3502.51 816.3,3495.59 928.23,3495.59 938.23,3505.59 938.23,3554.55
GND on Bottom Layer "NONET_L02_P-001" (solid, pour order 29): 809.37,3742.08 809.37,3825.59 893,3825.59 896.3,3822.28 896.3,3742.08 885.08,3742.08
GND on Bottom Layer "NONET_L02_P-001" (solid, pour order 22): 1612.98,4441.48 1612.98,4524.98 1696.6,4524.98 1699.91,4521.68 1699.91,4441.48 1688.69,4441.48
GND on Bottom Layer "NONET_L02_P-001" (solid, pour order 21): 1741.84,4283.49 1612.98,4283.49 1612.98,4201.91 1619.91,4194.98 1731.84,4194.98 1741.84,4204.98 1741.84,4253.95
3V3_M2+PCIE on Bottom Layer "NONET_L02_P-001" (solid, pour order 20): 1364.91,4409.98 1359.91,4404.98 1359.91,4312.03 1364.83,4307.11 1784.91,4307.11 1799.91,4322.11 1799.91,4417.86 1787.78,4429.98 1689.91,4429.98 1677.78,4417.86 1584.91,4417.86 1577.04,4409.98
NetC29_1 on Bottom Layer "NONET_L02_P-001" (solid, remove dead copper, pour order 19): 1374.91,4624.98 1574.91,4624.98 1584.91,4614.98 1584.91,4484.98 1574.91,4474.98 1369.91,4474.98 1359.91,4484.98 1359.91,4610.6 1369.91,4620.6
GND on Bottom Layer "NONET_L02_P-001" (solid, pour order 18): 951.05,4770.19 1081.13,4770.19 1081.13,4859.51 1067.98,4872.66 966.05,4872.66 951.05,4857.66 951.05,4777.24
GND on Bottom Layer "NONET_L02_P-001" (solid, pour order 17): 1081.84,4607.45 951.76,4607.45 951.76,4518.13 964.91,4504.98 1066.84,4504.98 1081.84,4519.98 1081.84,4600.41
12V_SYS on Bottom Layer "NONET_L02_P-001" (solid, pour order 16): 1098.32,4746.57 1120.76,4724.13 1231.38,4724.13 1234.91,4720.6 1234.91,4650.63 1229.26,4644.98 1108.82,4644.98 1094.91,4631.08 838.82,4631.08 829.91,4639.98 829.91,4739.98 836.5,4746.57
AGND on Bottom Layer "NONET_L02_P-001" (solid, pour order 15): 1036.13,5086.2 1029.91,5079.98 1029.91,4958.85 1043.77,4944.98 1109.34,4944.98 1117.41,4953.05 1117.41,5086.2
12V_SYS on Bottom Layer "NONET_L02_P-001" (solid, pour order 13): 1204.91,4938.62 1191.28,4924.98 1151.04,4924.98 1141.04,4934.98 1141.04,5088.86 1124.91,5104.98 1024.91,5104.98 1014.91,5114.98 1014.91,5229.98 1194.91,5229.98 1204.91,5219.98
12V_SYS on 02_GND1 "12V_SYS_L02_P072" (solid, pour order 72): 889.91,2994.98 919.91,2964.98 1274.91,2964.98 1564.91,2674.98 1799.91,2674.98 1834.91,2639.98 1834.91,2499.98 1814.91,2479.98 1724.91,2479.98 1709.91,2494.98 1709.91,2519.98 1684.91,2544.98 1464.91,2544.98 1284.91,2724.98 1194.91,2814.98 814.91,2814.98 749.91,2879.98 749.91,3234.98 770.29,3255.37 869.53,3255.37 889.91,3234.98
GND on 02_GND1 "NONET_L02_P-001" (solid, remove dead copper, pour order 94): -0.09,1226.69 -0.09,5659.27 4019.91,5659.27 4019.91,-0.02 -0.09,-0.02
12V_SYS on 05_Pwr1 "NONET_L02_P-001" (solid, remove dead copper, pour order 73): 1014.91,2839.98 649.91,2474.98 649.91,1034.98 369.91,754.98 369.91,667.76 337.13,634.98 249.91,634.98 19.91,864.98 19.91,5609.98 49.91,5639.98 2079.91,5639.98 2134.91,5584.98 2134.91,5189.98 1824.91,4879.98 1229.91,4879.98 1014.91,4664.98 1014.91,3229.98
+3.3V on 05_Pwr1 "NONET_L02_P-001" (solid, remove dead copper, pour order 77): -0.09,1226.69 -0.09,5659.27 4019.91,5659.27 4019.91,-0.02 -0.09,-0.02
P_VDD on 05_Pwr1 "NONET_L02_P-001" (solid, pour order 74): 1644.91,3524.98 1609.91,3559.98 1609.91,3959.98 1854.91,4204.98 2594.91,4204.98 2649.91,4259.98 2649.91,5029.98 2689.91,5069.98 3549.91,5069.98 3604.91,5014.98 3604.91,4134.98 3564.91,4094.98 3309.91,4094.98 2739.91,3524.98 1944.91,3524.98
VD33_O on 03_SIg1 "NONET_L02_P-001" (solid, remove dead copper, pour order 87): 759.91,326.04 765.25,331.38 883.13,331.38 903.53,310.98 969.91,310.98 990.91,331.98 990.91,381.98 989.91,382.98 800.12,382.98 780.4,402.71 780.4,473.33 786.06,478.98 1210.91,478.98 1266.91,422.98 1266.91,199.98 1243.91,176.98 949.91,176.98 939.91,186.98 939.91,245.93 933.01,252.84 861.76,252.84 838.91,229.98 838.91,158.98 825.91,145.98 768.91,145.98 759.91,154.98
+5V on 03_SIg1 "NONET_L02_P-001" (solid, pour order 80): 839.91,2574.98 884.91,2529.98 884.91,2424.98 865.11,2405.18 354.91,2405.18 319.91,2440.18 319.91,2554.98 339.91,2574.98
VIN on 03_SIg1 "NONET_L02_P-001" (solid, remove dead copper, pour order 76): 2108.85,5167.17 2274.75,5333.07 2274.75,5475.79 2362.88,5563.92 2911.06,5563.92 2951.49,5523.49 2951.49,5362.6 2628.7,5039.8 2431.52,5039.8 2348.89,4957.17 2163.85,4957.17 2108.85,5012.17
VD18_O on 04_SIg2 "NONET_L02_P-001" (solid, pour order 88): 772.91,562.98 733.23,523.3 733.23,352.66 781.91,303.98 1042.63,303.98 1050.54,311.89 1050.54,409.82 1080.7,439.98 1141.91,439.98 1155.91,425.98 1155.91,380.98 1120.43,345.5 1120.43,260.3 1138.35,242.38 1212.31,242.38 1226.91,256.98 1226.91,493.98 1210.91,509.98 1062.91,509.98 1009.91,562.98
AGND on 04_SIg2 "NONET_L02_P-001" (solid, remove dead copper, pour order 85): 1854.91,5649.98 1884.91,5619.98 1884.91,5094.98 1844.91,5054.98 1549.91,5054.98 1384.91,4889.98 34.91,4889.98 4.91,4919.98 4.91,5644.98 9.91,5649.98
12V_POE on 04_SIg2 "NONET_L02_P-001" (solid, remove dead copper, pour order 84): 2974.91,5344.98 3219.91,5099.98 3969.91,5099.98 3994.91,5074.98 3994.91,4734.98 3964.91,4704.98 3124.91,4704.98 2749.91,5079.98 2519.91,5079.98 2484.91,5114.98 2484.91,5329.98 2499.91,5344.98
3V3_M2+PCIE on 04_SIg2 "NONET_L02_P-001" (solid, remove dead copper, pour order 82): 1744.91,2664.98 1684.91,2724.98 1684.91,4044.98 1594.91,4134.98 1594.91,4459.98 1644.91,4509.98 2119.91,4509.98 2173.19,4563.27 2173.19,4763.84 2164.84,4772.19 2052.17,4772.19 1989.96,4709.98 1554.91,4709.98 1529.91,4734.98 1529.91,4974.98 1584.91,5029.98 2569.91,5029.98 2624.91,4974.98 2624.91,2834.98 2454.91,2664.98 2039.91,2664.98
+5V on 04_SIg2 "NONET_L02_P-001" (solid, remove dead copper, pour order 78): 1497.41,1322.48 532.41,1322.48 504.91,1294.98 504.91,773.64 543.56,734.98 1124.91,734.98 1269.91,589.98 3904.91,589.98 3989.91,674.98 3989.91,1709.98 3974.91,1724.98 3791,1724.98 3466,1399.98 1574.91,1399.98

## Other copper
Top Layer:
  region net 12V_ADP: 2804.16,5192.5 2872.42,5192.5 2889.91,5209.98 2889.91,5444.98 2894.91,5449.98 3107.02,5449.98 3107.85,5450.81 3107.85,5387.93 3089.91,5369.98 2999.91,5369.98 2975.17,5345.25 2975.17,5165.74 2804.16,5165.74
  region net NetD14_1: 2663.21,5483.28 2609.91,5429.98 2609.91,5363.16 2649.15,5323.91 2676.48,5323.91 2687.12,5334.55 2737.2,5334.55 2737.2,5418.15 2761.28,5442.24 2761.28,5483.28
  region net NetD15_1: 2377.79,5487.86 2319.91,5429.98 2319.91,5354.98 2349.91,5324.98 2384.91,5324.98 2395.55,5335.62 2459.15,5335.62 2459.15,5419.22 2483.23,5443.31 2483.23,5487.86

## Silkscreen, mask and mechanical layers (free items; w line width, h text height)
Top Overlay:
  text "RUN / PG" at 2893.25,3998.29 h27.56
  text "G-EN" at 2675.95,3973.47 h27.56 r90
  text "GND" at 2600.31,3916.46 h27.56
  text "TV / OUT" at 2894.5,3891.48 h27.56
  text "GND" at 2601.56,3814.02 h27.56
  text "SYNC / OUT" at 2895.1,3786.74 h27.56
  text "GND" at 2893.25,3709.71 h27.56
  text "SYNC-IN" at 2496.38,3669.03 h27.56
  text "AIN1" at 2580.94,3616.02 h27.56
  text "AIN0" at 2892.63,3611.02 h27.56
  text "EPROM / nWP" at 2544.72,3483.6 h27.56
  text "nRPI" at 2567.44,3424.44 h27.56
  text "GND" at 2891.38,3402.4 h27.56
  text "BOOT" at 2563.84,3329.05 h27.56
  text "BT- / nDis" at 3315.75,1700.5 h59.06 r90
  text "WL- / nDis" at 3537.86,1700.5 h59.06 r90
  text "GND" at 3406.21,1698.71 h59.06 r90
  text "G-EN" at 3207.31,1421.62 h59.06
  text "GND" at 3351.15,1420.6 h59.06
  text "RUN / PG" at 3485.8,1371.63 h59.06
  text "DO" at 2510.34,1368.88 h27.56
  text "DI" at 2514.52,1269.26 h27.56
  text "CK" at 2515.22,1164.07 h27.56
  text "CS" at 2513.83,1060.97 h27.56
  text "12V" at 357.88,643.6 h59.06 r90
  text "5V" at 358.38,431.7 h59.06 r90
Bottom Overlay:
  drawing of 8 lines, arcs and shapes, not listed
Top Assembly:
  lines w3.94: 1475.55,3.49 1475.55,2169.28 3051.09,2169.28 3051.09,3.49 1475.55,3.49
BoardOutline:
  lines w3.94: -0.09,-0.02 -0.09,1226.69 -0.09,5659.27 4019.91,5659.27 4019.91,-0.02 -0.09,-0.02
Measurments:
  circle w10: c3847.63,200.39 r61.8
  circle w10: c1613.38,141.28 r53.62
  circle w10: c2912.59,141.28 r53.62
  circle w10: c697.63,200.39 r61.8
  circle w10: c1613.38,2031.05 r53.62
  circle w10: c3747.63,3575.59 r61.8
  circle w10: c849.91,3575.18 r61.8
  text "4X" at 4367.93,3954.73 h78.74
  text "4X" at 1250.95,-117.16 h78.74

## Dimensions
1613.38,141.28 to 1613.38,-169.76 on Measurments
3747.63,3575.59 to 4161.33,3795.26 on Measurments

## Text inside footprints (layer, text, board x,y; h text height)
Q13: Mechanical 13 "*" at 1881.52,3916.48 h50 r90